# Altium PCB CHAHARDOLI-7 ADAD METAL.PcbDoc (part 2 of 11)
Units mm, origin at the board's own origin, x right, y up, seen from the top; angles counter-clockwise.
Board outline 151 x 86.38 mm, 2 copper layers (Top Layer, Bottom Layer); 1496 components, 81 nets, 3725 pads, 848 vias.
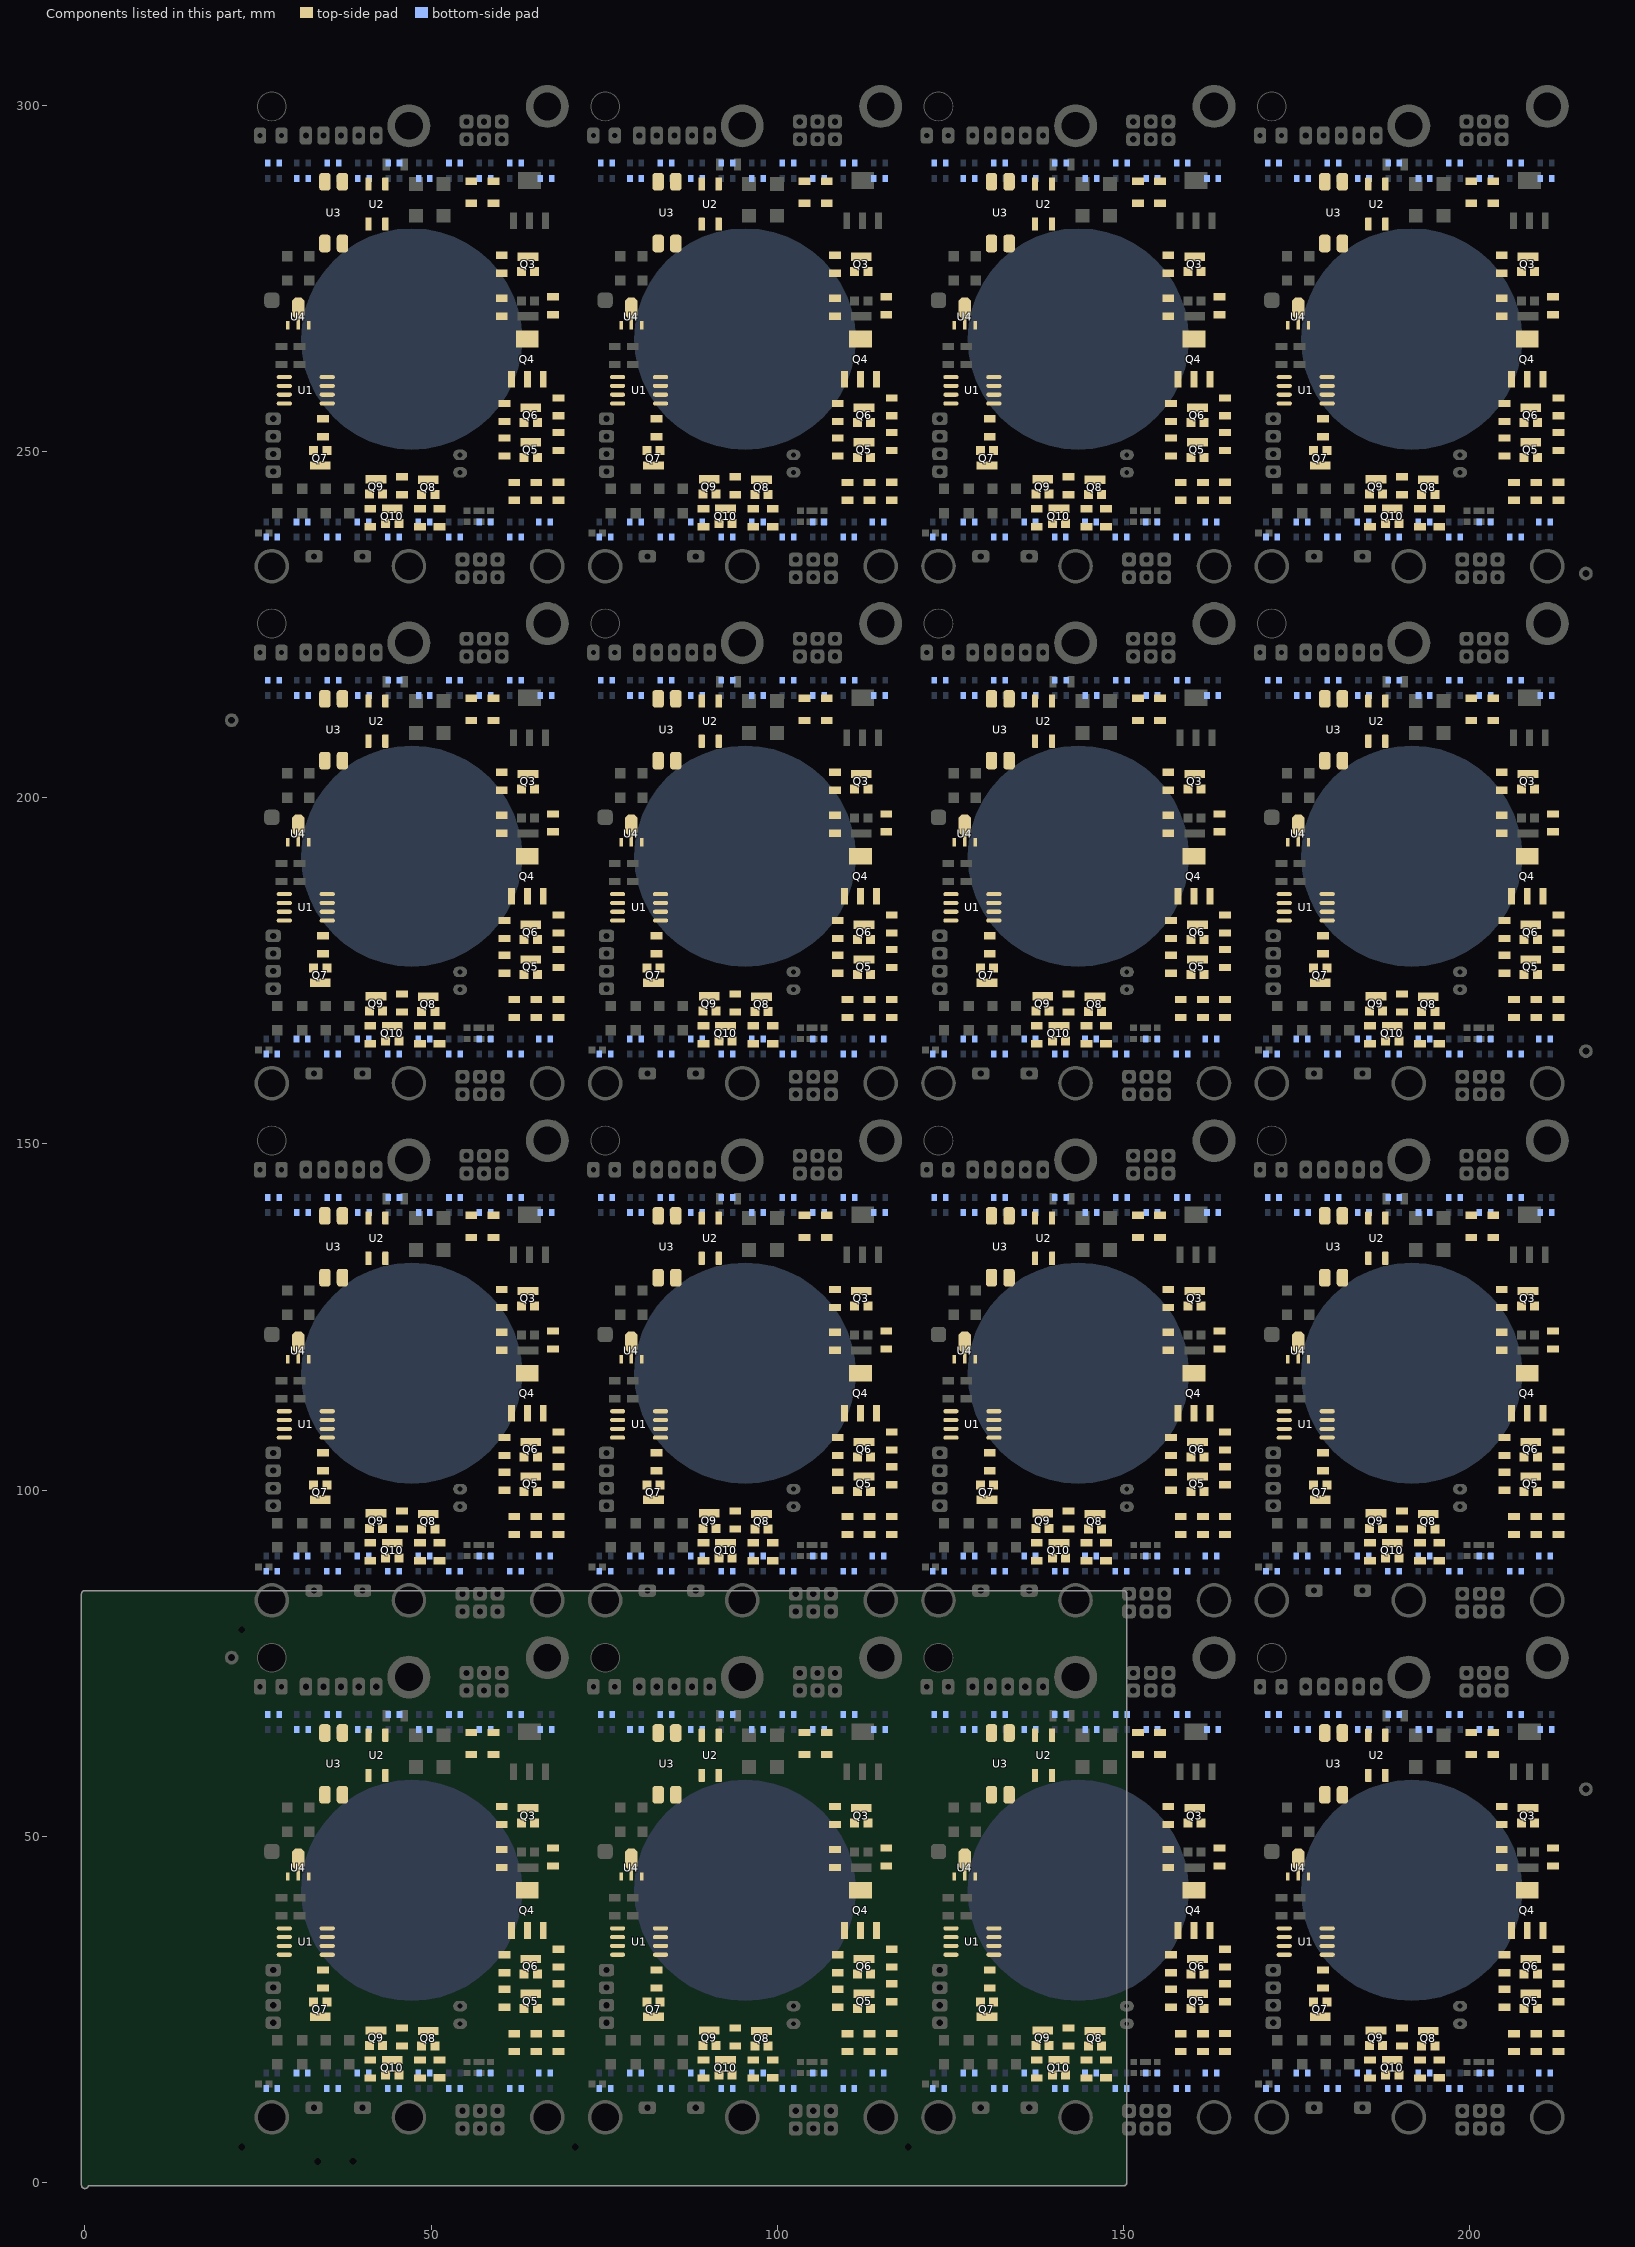
[diagram p2: the components of this part, seen from the top]

## Components (designator, comment, footprint, x,y, rotation, side; value= is the part's Value field where it differs from the comment) (continued)
Q3 "QNPN" SOT-23B_L 208.435,277.064 r90 top
Q3 "QNPN" SOT-23B_L 160.29,277.064 r90 top
Q3 "QNPN" SOT-23B_L 64,277.064 r90 top
Q3 "QNPN" SOT-23B_L 112.145,277.064 r90 top
Q4 "MOSFET-P4" SOT223_N 112.045,39.3 r90 top
Q4 "MOSFET-P4" SOT223_N 63.9,39.3 r90 top
Q4 "MOSFET-P4" SOT223_N 160.19,39.3 r90 top
Q4 "MOSFET-P4" SOT223_N 208.335,39.3 r90 top
Q4 "MOSFET-P4" SOT223_N 208.335,113.988 r90 top
Q4 "MOSFET-P4" SOT223_N 160.19,113.988 r90 top
Q4 "MOSFET-P4" SOT223_N 63.9,113.988 r90 top
Q4 "MOSFET-P4" SOT223_N 112.045,113.988 r90 top
Q4 "MOSFET-P4" SOT223_N 208.335,188.676 r90 top
Q4 "MOSFET-P4" SOT223_N 160.19,188.676 r90 top
Q4 "MOSFET-P4" SOT223_N 63.9,188.676 r90 top
Q4 "MOSFET-P4" SOT223_N 112.045,188.676 r90 top
Q4 "MOSFET-P4" SOT223_N 208.335,263.364 r90 top
Q4 "MOSFET-P4" SOT223_N 160.19,263.364 r90 top
Q4 "MOSFET-P4" SOT223_N 63.9,263.364 r90 top
Q4 "MOSFET-P4" SOT223_N 112.045,263.364 r90 top
Q5 "QNPN" SOT-23B_L 112.545,26.2 r90 top
Q5 "QNPN" SOT-23B_L 64.4,26.2 r90 top
Q5 "QNPN" SOT-23B_L 160.69,26.2 r90 top
Q5 "QNPN" SOT-23B_L 208.835,26.2 r90 top
Q5 "QNPN" SOT-23B_L 208.835,100.888 r90 top
Q5 "QNPN" SOT-23B_L 160.69,100.888 r90 top
Q5 "QNPN" SOT-23B_L 64.4,100.888 r90 top
Q5 "QNPN" SOT-23B_L 112.545,100.888 r90 top
Q5 "QNPN" SOT-23B_L 208.835,175.576 r90 top
Q5 "QNPN" SOT-23B_L 160.69,175.576 r90 top
Q5 "QNPN" SOT-23B_L 64.4,175.576 r90 top
Q5 "QNPN" SOT-23B_L 112.545,175.576 r90 top
Q5 "QNPN" SOT-23B_L 208.835,250.264 r90 top
Q5 "QNPN" SOT-23B_L 160.69,250.264 r90 top
Q5 "QNPN" SOT-23B_L 64.4,250.264 r90 top
Q5 "QNPN" SOT-23B_L 112.545,250.264 r90 top
Q6 "QNPN" SOT-23B_L 112.545,31.2 r90 top
Q6 "QNPN" SOT-23B_L 64.4,31.2 r90 top
Q6 "QNPN" SOT-23B_L 160.69,31.2 r90 top
Q6 "QNPN" SOT-23B_L 208.835,31.2 r90 top
Q6 "QNPN" SOT-23B_L 208.835,105.888 r90 top
Q6 "QNPN" SOT-23B_L 160.69,105.888 r90 top
Q6 "QNPN" SOT-23B_L 64.4,105.888 r90 top
Q6 "QNPN" SOT-23B_L 112.545,105.888 r90 top
Q6 "QNPN" SOT-23B_L 208.835,180.576 r90 top
Q6 "QNPN" SOT-23B_L 160.69,180.576 r90 top
Q6 "QNPN" SOT-23B_L 64.4,180.576 r90 top
Q6 "QNPN" SOT-23B_L 112.545,180.576 r90 top
Q6 "QNPN" SOT-23B_L 208.835,255.264 r90 top
Q6 "QNPN" SOT-23B_L 160.69,255.264 r90 top
Q6 "QNPN" SOT-23B_L 64.4,255.264 r90 top
Q6 "QNPN" SOT-23B_L 112.545,255.264 r90 top
Q7 "QNPN" SOT-23B_L 82.145,25 r270 top
Q7 "QNPN" SOT-23B_L 34,25 r270 top
Q7 "QNPN" SOT-23B_L 130.29,25 r270 top
Q7 "QNPN" SOT-23B_L 178.435,25 r270 top
Q7 "QNPN" SOT-23B_L 178.435,99.688 r270 top
Q7 "QNPN" SOT-23B_L 130.29,99.688 r270 top
Q7 "QNPN" SOT-23B_L 34,99.688 r270 top
Q7 "QNPN" SOT-23B_L 82.145,99.688 r270 top
Q7 "QNPN" SOT-23B_L 178.435,174.376 r270 top
Q7 "QNPN" SOT-23B_L 130.29,174.376 r270 top
Q7 "QNPN" SOT-23B_L 34,174.376 r270 top
Q7 "QNPN" SOT-23B_L 82.145,174.376 r270 top
Q7 "QNPN" SOT-23B_L 178.435,249.064 r270 top
Q7 "QNPN" SOT-23B_L 130.29,249.064 r270 top
Q7 "QNPN" SOT-23B_L 34,249.064 r270 top
Q7 "QNPN" SOT-23B_L 82.145,249.064 r270 top
Q8 "QNPN" SOT-23B_L 97.745,20.8 r90 top
Q8 "QNPN" SOT-23B_L 49.6,20.8 r90 top
Q8 "QNPN" SOT-23B_L 145.89,20.8 r90 top
Q8 "QNPN" SOT-23B_L 194.035,20.8 r90 top
Q8 "QNPN" SOT-23B_L 194.035,95.488 r90 top
Q8 "QNPN" SOT-23B_L 145.89,95.488 r90 top
Q8 "QNPN" SOT-23B_L 49.6,95.488 r90 top
Q8 "QNPN" SOT-23B_L 97.745,95.488 r90 top
Q8 "QNPN" SOT-23B_L 194.035,170.176 r90 top
Q8 "QNPN" SOT-23B_L 145.89,170.176 r90 top
Q8 "QNPN" SOT-23B_L 49.6,170.176 r90 top
Q8 "QNPN" SOT-23B_L 97.745,170.176 r90 top
Q8 "QNPN" SOT-23B_L 194.035,244.864 r90 top
Q8 "QNPN" SOT-23B_L 145.89,244.864 r90 top
Q8 "QNPN" SOT-23B_L 49.6,244.864 r90 top
Q8 "QNPN" SOT-23B_L 97.745,244.864 r90 top
Q9 "QNPN" SOT-23B_L 90.195,20.875 r90 top
Q9 "QNPN" SOT-23B_L 42.05,20.875 r90 top
Q9 "QNPN" SOT-23B_L 138.34,20.875 r90 top
Q9 "QNPN" SOT-23B_L 186.485,20.875 r90 top
Q9 "QNPN" SOT-23B_L 186.485,95.563 r90 top
Q9 "QNPN" SOT-23B_L 138.34,95.563 r90 top
Q9 "QNPN" SOT-23B_L 42.05,95.563 r90 top
Q9 "QNPN" SOT-23B_L 90.195,95.563 r90 top
Q9 "QNPN" SOT-23B_L 186.485,170.251 r90 top
Q9 "QNPN" SOT-23B_L 138.34,170.251 r90 top
Q9 "QNPN" SOT-23B_L 42.05,170.251 r90 top
Q9 "QNPN" SOT-23B_L 90.195,170.251 r90 top
Q9 "QNPN" SOT-23B_L 186.485,244.939 r90 top
Q9 "QNPN" SOT-23B_L 138.34,244.939 r90 top
Q9 "QNPN" SOT-23B_L 42.05,244.939 r90 top
Q9 "QNPN" SOT-23B_L 90.195,244.939 r90 top
Q10 "QNPN" SOT-23B_L 92.545,16.6 r90 top
Q10 "QNPN" SOT-23B_L 44.4,16.6 r90 top
Q10 "QNPN" SOT-23B_L 140.69,16.6 r90 top
Q10 "QNPN" SOT-23B_L 188.835,16.6 r90 top
Q10 "QNPN" SOT-23B_L 188.835,91.288 r90 top
Q10 "QNPN" SOT-23B_L 140.69,91.288 r90 top
Q10 "QNPN" SOT-23B_L 44.4,91.288 r90 top
Q10 "QNPN" SOT-23B_L 92.545,91.288 r90 top
Q10 "QNPN" SOT-23B_L 188.835,165.976 r90 top
Q10 "QNPN" SOT-23B_L 140.69,165.976 r90 top
Q10 "QNPN" SOT-23B_L 44.4,165.976 r90 top
Q10 "QNPN" SOT-23B_L 92.545,165.976 r90 top
Q10 "QNPN" SOT-23B_L 188.835,240.664 r90 top
Q10 "QNPN" SOT-23B_L 140.69,240.664 r90 top
Q10 "QNPN" SOT-23B_L 44.4,240.664 r90 top
Q10 "QNPN" SOT-23B_L 92.545,240.664 r90 top
R "LED2" "RES 0805 (2012X06L)" 79.545,65.4 r180 bottom (schematic designator 2)
R "LED2" "RES 0805 (2012X06L)" 88.345,65.4 r180 bottom (schematic designator 2)
R "LED2" "RES 0805 (2012X06L)" 97.145,65.4 r180 bottom (schematic designator 2)
R "LED2" "RES 0805 (2012X06L)" 105.945,65.4 r180 bottom (schematic designator 2)
R "LED2" "RES 0805 (2012X06L)" 114.745,65.4 r180 bottom (schematic designator 2)
R "LED2" "RES 0805 (2012X06L)" 114.545,15.8 r0 bottom (schematic designator 2)
R "LED2" "RES 0805 (2012X06L)" 105.945,15.8 r0 bottom (schematic designator 2)
R "LED2" "RES 0805 (2012X06L)" 97.145,15.8 r0 bottom (schematic designator 2)
R "LED2" "RES 0805 (2012X06L)" 88.345,15.8 r0 bottom (schematic designator 2)
R "LED2" "RES 0805 (2012X06L)" 79.545,15.8 r0 bottom (schematic designator 2)
R "LED2" "RES 0805 (2012X06L)" 31.4,15.8 r0 bottom (schematic designator 2)
R "LED2" "RES 0805 (2012X06L)" 40.2,15.8 r0 bottom (schematic designator 2)
R "LED2" "RES 0805 (2012X06L)" 49,15.8 r0 bottom (schematic designator 2)
R "LED2" "RES 0805 (2012X06L)" 57.8,15.8 r0 bottom (schematic designator 2)
R "LED2" "RES 0805 (2012X06L)" 66.4,15.8 r0 bottom (schematic designator 2)
R "LED2" "RES 0805 (2012X06L)" 66.6,65.4 r180 bottom (schematic designator 2)
R "LED2" "RES 0805 (2012X06L)" 57.8,65.4 r180 bottom (schematic designator 2)
R "LED2" "RES 0805 (2012X06L)" 49,65.4 r180 bottom (schematic designator 2)
R "LED2" "RES 0805 (2012X06L)" 40.2,65.4 r180 bottom (schematic designator 2)
R "LED2" "RES 0805 (2012X06L)" 31.4,65.4 r180 bottom (schematic designator 2)
R "LED2" "RES 0805 (2012X06L)" 127.69,65.4 r180 bottom (schematic designator 2)
R "LED2" "RES 0805 (2012X06L)" 136.49,65.4 r180 bottom (schematic designator 2)
R "LED2" "RES 0805 (2012X06L)" 145.29,65.4 r180 bottom (schematic designator 2)
R "LED2" "RES 0805 (2012X06L)" 154.09,65.4 r180 bottom (schematic designator 2)
R "LED2" "RES 0805 (2012X06L)" 162.89,65.4 r180 bottom (schematic designator 2)
R "LED2" "RES 0805 (2012X06L)" 162.69,15.8 r0 bottom (schematic designator 2)
R "LED2" "RES 0805 (2012X06L)" 154.09,15.8 r0 bottom (schematic designator 2)
R "LED2" "RES 0805 (2012X06L)" 145.29,15.8 r0 bottom (schematic designator 2)
R "LED2" "RES 0805 (2012X06L)" 136.49,15.8 r0 bottom (schematic designator 2)
R "LED2" "RES 0805 (2012X06L)" 127.69,15.8 r0 bottom (schematic designator 2)
R "LED2" "RES 0805 (2012X06L)" 175.835,15.8 r0 bottom (schematic designator 2)
R "LED2" "RES 0805 (2012X06L)" 184.635,15.8 r0 bottom (schematic designator 2)
R "LED2" "RES 0805 (2012X06L)" 193.435,15.8 r0 bottom (schematic designator 2)
R "LED2" "RES 0805 (2012X06L)" 202.235,15.8 r0 bottom (schematic designator 2)
R "LED2" "RES 0805 (2012X06L)" 210.835,15.8 r0 bottom (schematic designator 2)
R "LED2" "RES 0805 (2012X06L)" 211.035,65.4 r180 bottom (schematic designator 2)
R "LED2" "RES 0805 (2012X06L)" 202.235,65.4 r180 bottom (schematic designator 2)
R "LED2" "RES 0805 (2012X06L)" 193.435,65.4 r180 bottom (schematic designator 2)
R "LED2" "RES 0805 (2012X06L)" 184.635,65.4 r180 bottom (schematic designator 2)
R "LED2" "RES 0805 (2012X06L)" 175.835,65.4 r180 bottom (schematic designator 2)
R "LED2" "RES 0805 (2012X06L)" 175.835,140.088 r180 bottom (schematic designator 2)
R "LED2" "RES 0805 (2012X06L)" 184.635,140.088 r180 bottom (schematic designator 2)
R "LED2" "RES 0805 (2012X06L)" 193.435,140.088 r180 bottom (schematic designator 2)
R "LED2" "RES 0805 (2012X06L)" 202.235,140.088 r180 bottom (schematic designator 2)
R "LED2" "RES 0805 (2012X06L)" 211.035,140.088 r180 bottom (schematic designator 2)
R "LED2" "RES 0805 (2012X06L)" 210.835,90.488 r0 bottom (schematic designator 2)
R "LED2" "RES 0805 (2012X06L)" 202.235,90.488 r0 bottom (schematic designator 2)
R "LED2" "RES 0805 (2012X06L)" 193.435,90.488 r0 bottom (schematic designator 2)
R "LED2" "RES 0805 (2012X06L)" 184.635,90.488 r0 bottom (schematic designator 2)
R "LED2" "RES 0805 (2012X06L)" 175.835,90.488 r0 bottom (schematic designator 2)
R "LED2" "RES 0805 (2012X06L)" 127.69,90.488 r0 bottom (schematic designator 2)
R "LED2" "RES 0805 (2012X06L)" 136.49,90.488 r0 bottom (schematic designator 2)
R "LED2" "RES 0805 (2012X06L)" 145.29,90.488 r0 bottom (schematic designator 2)
R "LED2" "RES 0805 (2012X06L)" 154.09,90.488 r0 bottom (schematic designator 2)
R "LED2" "RES 0805 (2012X06L)" 162.69,90.488 r0 bottom (schematic designator 2)
R "LED2" "RES 0805 (2012X06L)" 162.89,140.088 r180 bottom (schematic designator 2)
R "LED2" "RES 0805 (2012X06L)" 154.09,140.088 r180 bottom (schematic designator 2)
R "LED2" "RES 0805 (2012X06L)" 145.29,140.088 r180 bottom (schematic designator 2)
R "LED2" "RES 0805 (2012X06L)" 136.49,140.088 r180 bottom (schematic designator 2)
R "LED2" "RES 0805 (2012X06L)" 127.69,140.088 r180 bottom (schematic designator 2)
R "LED2" "RES 0805 (2012X06L)" 31.4,140.088 r180 bottom (schematic designator 2)
R "LED2" "RES 0805 (2012X06L)" 40.2,140.088 r180 bottom (schematic designator 2)
R "LED2" "RES 0805 (2012X06L)" 49,140.088 r180 bottom (schematic designator 2)
R "LED2" "RES 0805 (2012X06L)" 57.8,140.088 r180 bottom (schematic designator 2)
R "LED2" "RES 0805 (2012X06L)" 66.6,140.088 r180 bottom (schematic designator 2)
R "LED2" "RES 0805 (2012X06L)" 66.4,90.488 r0 bottom (schematic designator 2)
R "LED2" "RES 0805 (2012X06L)" 57.8,90.488 r0 bottom (schematic designator 2)
R "LED2" "RES 0805 (2012X06L)" 49,90.488 r0 bottom (schematic designator 2)
R "LED2" "RES 0805 (2012X06L)" 40.2,90.488 r0 bottom (schematic designator 2)
R "LED2" "RES 0805 (2012X06L)" 31.4,90.488 r0 bottom (schematic designator 2)
R "LED2" "RES 0805 (2012X06L)" 79.545,90.488 r0 bottom (schematic designator 2)
R "LED2" "RES 0805 (2012X06L)" 88.345,90.488 r0 bottom (schematic designator 2)
R "LED2" "RES 0805 (2012X06L)" 97.145,90.488 r0 bottom (schematic designator 2)
R "LED2" "RES 0805 (2012X06L)" 105.945,90.488 r0 bottom (schematic designator 2)
R "LED2" "RES 0805 (2012X06L)" 114.545,90.488 r0 bottom (schematic designator 2)
R "LED2" "RES 0805 (2012X06L)" 114.745,140.088 r180 bottom (schematic designator 2)
R "LED2" "RES 0805 (2012X06L)" 105.945,140.088 r180 bottom (schematic designator 2)
R "LED2" "RES 0805 (2012X06L)" 97.145,140.088 r180 bottom (schematic designator 2)
R "LED2" "RES 0805 (2012X06L)" 88.345,140.088 r180 bottom (schematic designator 2)
R "LED2" "RES 0805 (2012X06L)" 79.545,140.088 r180 bottom (schematic designator 2)
R "LED2" "RES 0805 (2012X06L)" 175.835,214.776 r180 bottom (schematic designator 2)
R "LED2" "RES 0805 (2012X06L)" 184.635,214.776 r180 bottom (schematic designator 2)
R "LED2" "RES 0805 (2012X06L)" 193.435,214.776 r180 bottom (schematic designator 2)
R "LED2" "RES 0805 (2012X06L)" 202.235,214.776 r180 bottom (schematic designator 2)
R "LED2" "RES 0805 (2012X06L)" 211.035,214.776 r180 bottom (schematic designator 2)
R "LED2" "RES 0805 (2012X06L)" 210.835,165.176 r0 bottom (schematic designator 2)
R "LED2" "RES 0805 (2012X06L)" 202.235,165.176 r0 bottom (schematic designator 2)
R "LED2" "RES 0805 (2012X06L)" 193.435,165.176 r0 bottom (schematic designator 2)
R "LED2" "RES 0805 (2012X06L)" 184.635,165.176 r0 bottom (schematic designator 2)
R "LED2" "RES 0805 (2012X06L)" 175.835,165.176 r0 bottom (schematic designator 2)
R "LED2" "RES 0805 (2012X06L)" 127.69,165.176 r0 bottom (schematic designator 2)
R "LED2" "RES 0805 (2012X06L)" 136.49,165.176 r0 bottom (schematic designator 2)
R "LED2" "RES 0805 (2012X06L)" 145.29,165.176 r0 bottom (schematic designator 2)
R "LED2" "RES 0805 (2012X06L)" 154.09,165.176 r0 bottom (schematic designator 2)
R "LED2" "RES 0805 (2012X06L)" 162.69,165.176 r0 bottom (schematic designator 2)
R "LED2" "RES 0805 (2012X06L)" 162.89,214.776 r180 bottom (schematic designator 2)
R "LED2" "RES 0805 (2012X06L)" 154.09,214.776 r180 bottom (schematic designator 2)
R "LED2" "RES 0805 (2012X06L)" 145.29,214.776 r180 bottom (schematic designator 2)
R "LED2" "RES 0805 (2012X06L)" 136.49,214.776 r180 bottom (schematic designator 2)
R "LED2" "RES 0805 (2012X06L)" 127.69,214.776 r180 bottom (schematic designator 2)
R "LED2" "RES 0805 (2012X06L)" 31.4,214.776 r180 bottom (schematic designator 2)
R "LED2" "RES 0805 (2012X06L)" 40.2,214.776 r180 bottom (schematic designator 2)
R "LED2" "RES 0805 (2012X06L)" 49,214.776 r180 bottom (schematic designator 2)
R "LED2" "RES 0805 (2012X06L)" 57.8,214.776 r180 bottom (schematic designator 2)
R "LED2" "RES 0805 (2012X06L)" 66.6,214.776 r180 bottom (schematic designator 2)
R "LED2" "RES 0805 (2012X06L)" 66.4,165.176 r0 bottom (schematic designator 2)
R "LED2" "RES 0805 (2012X06L)" 57.8,165.176 r0 bottom (schematic designator 2)
R "LED2" "RES 0805 (2012X06L)" 49,165.176 r0 bottom (schematic designator 2)
R "LED2" "RES 0805 (2012X06L)" 40.2,165.176 r0 bottom (schematic designator 2)
R "LED2" "RES 0805 (2012X06L)" 31.4,165.176 r0 bottom (schematic designator 2)
R "LED2" "RES 0805 (2012X06L)" 79.545,165.176 r0 bottom (schematic designator 2)
R "LED2" "RES 0805 (2012X06L)" 88.345,165.176 r0 bottom (schematic designator 2)
R "LED2" "RES 0805 (2012X06L)" 97.145,165.176 r0 bottom (schematic designator 2)
R "LED2" "RES 0805 (2012X06L)" 105.945,165.176 r0 bottom (schematic designator 2)
R "LED2" "RES 0805 (2012X06L)" 114.545,165.176 r0 bottom (schematic designator 2)
R "LED2" "RES 0805 (2012X06L)" 114.745,214.776 r180 bottom (schematic designator 2)
R "LED2" "RES 0805 (2012X06L)" 105.945,214.776 r180 bottom (schematic designator 2)
R "LED2" "RES 0805 (2012X06L)" 97.145,214.776 r180 bottom (schematic designator 2)
R "LED2" "RES 0805 (2012X06L)" 88.345,214.776 r180 bottom (schematic designator 2)
R "LED2" "RES 0805 (2012X06L)" 79.545,214.776 r180 bottom (schematic designator 2)
R "LED2" "RES 0805 (2012X06L)" 175.835,289.464 r180 bottom (schematic designator 2)
R "LED2" "RES 0805 (2012X06L)" 184.635,289.464 r180 bottom (schematic designator 2)
R "LED2" "RES 0805 (2012X06L)" 193.435,289.464 r180 bottom (schematic designator 2)
R "LED2" "RES 0805 (2012X06L)" 202.235,289.464 r180 bottom (schematic designator 2)
R "LED2" "RES 0805 (2012X06L)" 211.035,289.464 r180 bottom (schematic designator 2)
R "LED2" "RES 0805 (2012X06L)" 210.835,239.864 r0 bottom (schematic designator 2)
R "LED2" "RES 0805 (2012X06L)" 202.235,239.864 r0 bottom (schematic designator 2)
R "LED2" "RES 0805 (2012X06L)" 193.435,239.864 r0 bottom (schematic designator 2)
R "LED2" "RES 0805 (2012X06L)" 184.635,239.864 r0 bottom (schematic designator 2)
R "LED2" "RES 0805 (2012X06L)" 175.835,239.864 r0 bottom (schematic designator 2)
R "LED2" "RES 0805 (2012X06L)" 127.69,239.864 r0 bottom (schematic designator 2)
R "LED2" "RES 0805 (2012X06L)" 136.49,239.864 r0 bottom (schematic designator 2)
R "LED2" "RES 0805 (2012X06L)" 145.29,239.864 r0 bottom (schematic designator 2)
R "LED2" "RES 0805 (2012X06L)" 154.09,239.864 r0 bottom (schematic designator 2)
R "LED2" "RES 0805 (2012X06L)" 162.69,239.864 r0 bottom (schematic designator 2)
R "LED2" "RES 0805 (2012X06L)" 162.89,289.464 r180 bottom (schematic designator 2)
R "LED2" "RES 0805 (2012X06L)" 154.09,289.464 r180 bottom (schematic designator 2)
R "LED2" "RES 0805 (2012X06L)" 145.29,289.464 r180 bottom (schematic designator 2)
R "LED2" "RES 0805 (2012X06L)" 136.49,289.464 r180 bottom (schematic designator 2)
R "LED2" "RES 0805 (2012X06L)" 127.69,289.464 r180 bottom (schematic designator 2)
R "LED2" "RES 0805 (2012X06L)" 31.4,289.464 r180 bottom (schematic designator 2)
R "LED2" "RES 0805 (2012X06L)" 40.2,289.464 r180 bottom (schematic designator 2)
R "LED2" "RES 0805 (2012X06L)" 49,289.464 r180 bottom (schematic designator 2)
R "LED2" "RES 0805 (2012X06L)" 57.8,289.464 r180 bottom (schematic designator 2)
R "LED2" "RES 0805 (2012X06L)" 66.6,289.464 r180 bottom (schematic designator 2)
R "LED2" "RES 0805 (2012X06L)" 66.4,239.864 r0 bottom (schematic designator 2)
R "LED2" "RES 0805 (2012X06L)" 57.8,239.864 r0 bottom (schematic designator 2)
R "LED2" "RES 0805 (2012X06L)" 49,239.864 r0 bottom (schematic designator 2)
R "LED2" "RES 0805 (2012X06L)" 40.2,239.864 r0 bottom (schematic designator 2)
R "LED2" "RES 0805 (2012X06L)" 31.4,239.864 r0 bottom (schematic designator 2)
R "LED2" "RES 0805 (2012X06L)" 79.545,239.864 r0 bottom (schematic designator 2)
R "LED2" "RES 0805 (2012X06L)" 88.345,239.864 r0 bottom (schematic designator 2)
R "LED2" "RES 0805 (2012X06L)" 97.145,239.864 r0 bottom (schematic designator 2)
R "LED2" "RES 0805 (2012X06L)" 105.945,239.864 r0 bottom (schematic designator 2)
R "LED2" "RES 0805 (2012X06L)" 114.545,239.864 r0 bottom (schematic designator 2)
R "LED2" "RES 0805 (2012X06L)" 114.745,289.464 r180 bottom (schematic designator 2)
R "LED2" "RES 0805 (2012X06L)" 105.945,289.464 r180 bottom (schematic designator 2)
R "LED2" "RES 0805 (2012X06L)" 97.145,289.464 r180 bottom (schematic designator 2)
R "LED2" "RES 0805 (2012X06L)" 88.345,289.464 r180 bottom (schematic designator 2)